# Altium PCB 400236.PcbDoc (part 3 of 4)
Units mil, origin at the board's own origin, x right, y up, seen from the top; angles counter-clockwise.
Board outline 5300 x 2500 mil, 4 copper layers (Top Layer, Mid-Layer 1, Mid-Layer 2, Bottom Layer), stack 59.252 mil thick; 300 components, 217 nets, 1310 pads, 1271 vias.
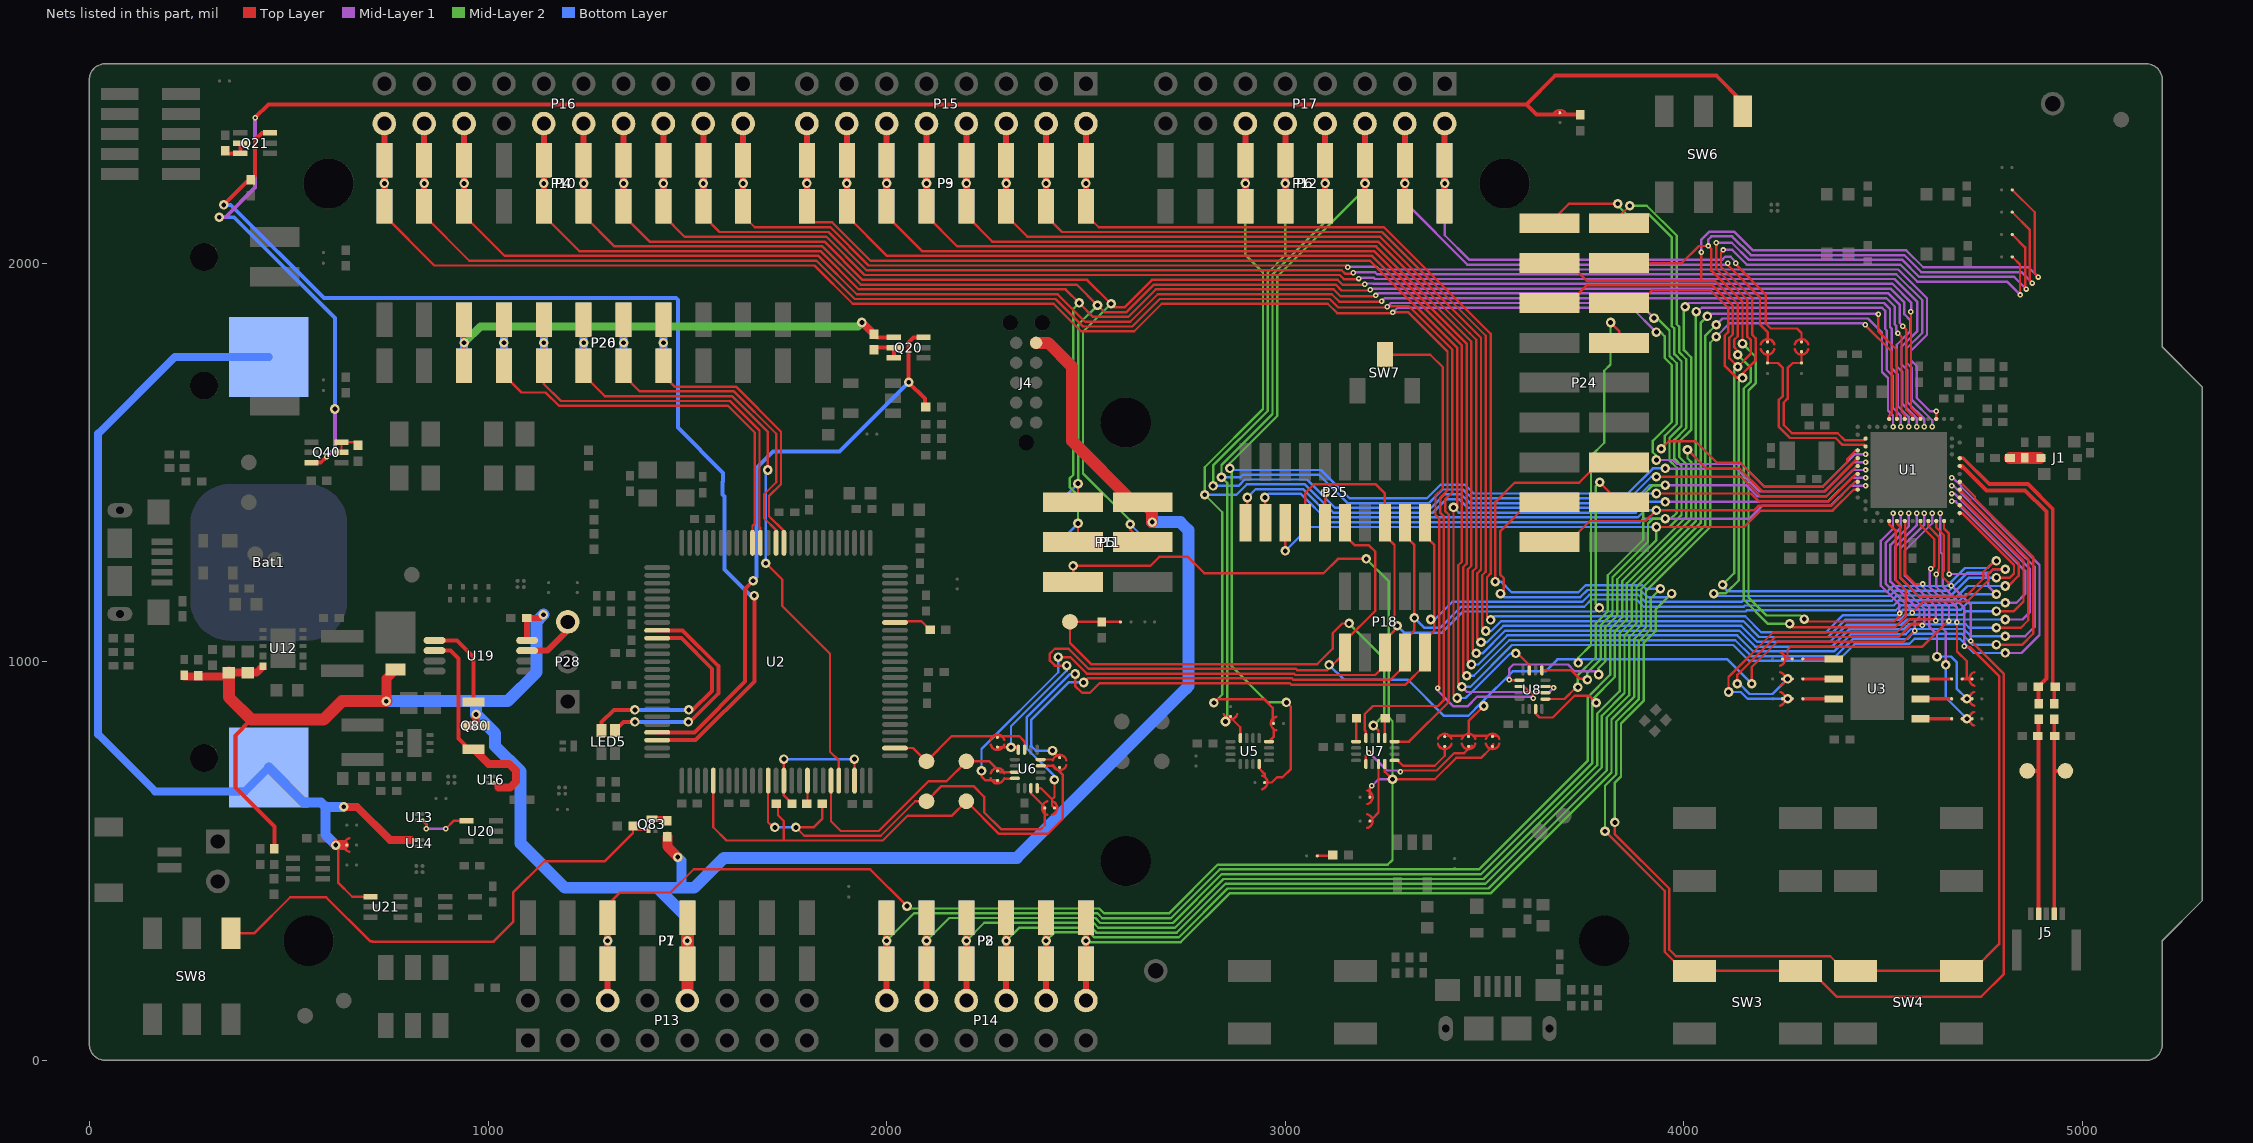
[diagram p5: the nets of this part, all layers, seen from the top]

## Via types
v1: diameter 24, hole 12, Top Layer to Bottom Layer, tented both sides, 1055 vias
v2: diameter 13.78, hole 5.91, Top Layer to Mid-Layer 1, tented both sides, 190 vias
v3: diameter 24, hole 12, Top Layer to Bottom Layer, 26 vias

## Nets (pads, with @x,y where several pads share a name; then routed paths per layer and width w, separated by ;. In a path a pad name is that pad's centre, name@x,y a point inside that pad or via, vN(x,y) a via of type N, cw(c..) or ccw(c..) an arc to the next point about the centre after c; other vN are vias at no path point) (continued)
NetP28_3: P28.3 U19.7 | length 144.1
  Top Layer w15: U19.7@1098.14,1027.8 1148.8,1027.8 1200,1079 P28.3@1200,1100
NetQ20_5: Q20.5 Q20.6 R22.2 | length 77.5
  Top Layer w10: R22.2@1968.33,1782.31 1974.02,1788 Q20.5@2017.93,1788 Q20.6@2017.93,1762.41
NetQ21_5: Q21.5 Q21.6 R24.2 | length 65.6
  Top Layer w10: R24.2@341,2281.31 346.9,2275.41 Q21.6@378.6,2275.41 Q21.5@378.6,2301
NetQ40_5: Q40.5 Q40.6 R41.2 | length 70.5
  Top Layer w6: Q40.5@632.4,1525 Q40.6@632.4,1550.59 666.09,1550.59 R41.2@674,1542.69
NetQ80_1: Q80.1 U19.1 | length 220.3
  Top Layer w10: U19.1@873.86,1053.39 922.61,1053.39 964.13,1011.87 Q80.1@964.13,899.06
NetQ80_3: Q80.3 U16.A1 U19.2 | length 532.2
  Top Layer w9.84: U16.A1@1014.87,696.13 1026.19,684.81
  Top Layer w10: U19.2@873.86,1027.8 906.2,1027.8 925.57,1008.43 925.57,807.43 952.06,780.94 Q80.3@964.13,780.94
  Top Layer w20: Q80.3@964.13,780.94 1001.08,744 1053,744 1070,727 1070,699 1055.81,684.81 1026.19,684.81
NetQ83_1: Q83.1 R94.1 SW8.4 | length 1304.9
  Top Layer w6: SW8.4@355.42,319.27 414.27,319.27 504,409 594,409 704,299 708.7,299 709.7,298 1014,298 1063,347 1063,421 1141,499 1292,499 1363.69,570.68 R94.1@1363.69,588 ; R94.1@1366.69,589 1377.46,578.22 Q83.1@1402.14,578.22
NetQ83_3: Q83.3 R93.2 | length 41.1
  Top Layer w15: Q83.3@1411,605.78 1444.91,605.78 R93.2@1450,600.69
NetR30_2: R30.2 U2.43 | length 98.7
  Top Layer w6: U2.43@2020.83,1098.42 2024.41,1102 2086.92,1102 R30.2@2108.92,1080
NetR49_1: R49.1 SB65.2 | length 39.8
  Top Layer w6: SB65.2@3080.3,513 3117.32,513 R49.1@3119.32,515
NetR52_2: R52.2 U7.9 | length 49.8
  Top Layer w6: U7.9@3249.62,808.48 3249.62,857.31 R52.2@3250.31,858
NetR53_2: R53.2 U7.13 | length 58.8
  Top Layer w6: U7.13@3177.77,799.62 3177.77,857.09 R53.2@3178.69,858
NetSB42_1: SB42.1 U7.1 | length 336.7
  Top Layer w6: U7.1@3202.38,743.52 3202.38,764.38 v2(3210,772) ; v2(3289,724) 3292,727 3379.97,727 3423.82,770.85 3449.15,770.85 3468,789.7
  Mid-Layer 1 w6: v2(3210,772) 3255,727 3286,727 v2(3289,724)
NetSB45_1: SB45.1 U7.5 | length 165.4
  Top Layer w6: U7.5@3274.23,752.38 3281.92,752.38 3295.3,739 3375,739 3400,764 3400,780.83 SB45.1@3400,787.7
NetSB46_1: SB46.1 U7.3 | length 152.5
  Top Layer w6: SB46.1@3212.3,600 3218.16,605.86 3233.87,621.57 U7.3@3233.87,743.52
NetU13_B2: U13.B2 U20.4 | length 134
  Top Layer w6: U13.B2@835.87,602.13 846,592 v2@846,581 ; v2(894,581) 913.59,600.59 U20.4@945.6,600.59
  Mid-Layer 1 w6: v2(845,581) v2(894,581)
NFC1: C46.1 J5.2 R44.1 TP15.1 | length 506.1
  Top Layer w9.84: TP15.1@4861.37,726 4889.68,726 ; J5.2@4889.68,367.25 4889.68,726 ; R44.1@4889.68,845 4889.68,726
NFC2: C47.2 J5.4 R46.1 TP16.1 | length 505.7
  Top Layer w9.84: J5.4@4929.05,367.25 4929.05,726 ; R46.1@4929.05,845 4929.05,726 ; TP16.1@4957.05,726 4929.05,726
OB_LED1: LED5.4 U2.84 | length 556.7
  Top Layer w10: LED5.4@1318.34,827.54 1339.79,849 v1(1368.61,849) ; U2.84@1424.38,1078.74 1487.87,1078.74 1577.61,989 1577.61,920.47 1506.13,849 v1(1502.61,849)
  Bottom Layer w10: v1(1368.61,849) v1(1502.61,849)
OB_LED2: LED5.3 U2.85 | length 554.4
  Top Layer w10: LED5.3@1284.87,827.54 1284.87,848.27 1315.61,879 v1(1368.61,879) ; U2.85@1424.38,1059.05 1484.92,1059.05 1561.61,982.37 1561.61,927.1 1513.51,879 v1(1503.61,879)
  Bottom Layer w10: v1(1368.61,879) v1(1503.61,879)
OB_RESET: SB56.2 TP7.1 U2.27 U6.7 | length 391.3
  Top Layer w6: U2.27@2020.83,783.46 2066.54,783.46 TP7.1@2100,750 2163,813 2333,813 2346.13,799.87 U6.7@2346.13,779.23
OB_SWDCLK: R28.2 SB55.2 TP6.1 U2.5 U6.3 | length 1373.7
  Top Layer w6: U2.5@1565.13,701.77 1565.13,584.87 1598.6,551.4 1742.35,551.4 ; R28.2@1723.31,644 1727.35,639.97 1727.35,615 1742.35,600 1742.35,551.4 ; U6.3@2386.48,738.87 2419.13,738.87 2442,716 2442,606 2404,568 2282,568 TP6.1@2200,650 2164,614 2052.94,614 1990.34,551.4 1742.35,551.4
OB_SWDIO: R29.2 SB54.2 TP5.1 U2.12 U6.15 | length 1156.4
  Top Layer w6: U2.12@1702.92,701.77 1702.5,701.35 1702.5,597.5 1715.6,584.4 v1(1719.6,584.4) ; R29.2@1838.69,644 1838.69,606.69 1816.4,584.4 v1(1772.35,584.4) 1793.35,563.4 1985.37,563.4 2071.97,650 TP5.1@2100,650 2138,688 2218,688 2245,661 2245,621.97 2286.97,580 2387,580 2396.7,589.7 2396.7,619.1 SB54.2@2396.7,633 2396.7,635.3 2391.51,640.49 2361.87,670.13 U6.15@2361.87,682.77
  Bottom Layer w6: v1(1719.6,584.4) v1(1772.35,584.4)
OB_SWO: SB57.2 TP8.1 U2.20 U6.11 | length 656.5
  Top Layer w6: U2.20@1860.4,701.77 1860.4,600.01 1885.02,575.4 1980.4,575.4 2105,700 2150,700 TP8.1@2200,750 2258,750 2284.87,723.13 U6.11@2321.52,723.13
P0.00: P6.1 P12.1 P17.2 SB4.2 | length 1526
  Top Layer w6: v2@4128,1999 4205.49,1921.51 4205.49,1848.49 4217.97,1836 4284,1836 4295,1825 4295,1809.17 SB4.2@4295,1802.3
  Top Layer w15: P6.1@3400,2142.32 v1(3400,2200) P6.1@3400,2257.68 P17.2@3400,2350
  Mid-Layer 1 w6: v1(3400,2200) 3400,2069.97 3461.97,2008 4095.53,2008 4103.42,2015.89 4117.23,2015.89 4130,2003.12 v2(4130,2000) ; v2@4128,1999 v2@4128,2000
  Bottom Layer w15: P12.1@3400,2142.32 v1(3400,2200) P12.1@3400,2257.68
P0.00/XL1: SB2.2 SB4.1 U1.D2 | length 437.2
  Top Layer w5.71: 4404,1555.61 4451.6,1555.61 U1.D2@4455.73,1559.74
  Top Layer w6: SB4.1@4295,1777.7 4295,1770.83 SB2.2@4295,1749.3 4273.11,1749.3 4260.29,1736.49 4260.29,1660 4250.29,1650 4250.29,1593.68 4270.81,1573.16 4385.99,1573.16 4403.11,1556.04
P0.01: P6.2 P12.2 P17.4 SB3.2 | length 1484.4
  Top Layer w6: v2@4110,1999 4110,1995 4191,1914 4191,1846 4210,1827 4210,1809.17 SB3.2@4210,1802.3
  Top Layer w15: P6.2@3300,2142.32 v1(3300,2200) P6.2@3300,2257.68 P17.4@3300,2350
  Mid-Layer 1 w6: v1(3300,2200) 3300,2153 3457,1996 4107,1996 v2@4110,1999
  Bottom Layer w15: P12.2@3300,2142.32 v1(3300,2200) P12.2@3300,2257.68
  other v2: 4110,2000
P0.01/XL2: SB1.2 SB3.1 U1.F2 | length 462.4
  Top Layer w5.71: 4397,1544.19 4451.6,1544.19 U1.F2@4455.73,1540.05
  Top Layer w6: SB3.1@4210,1777.7 4210,1770.83 SB1.2@4210,1749.3 4235.99,1749.3 4248.29,1737 4248.29,1667 4238.29,1657 4238.29,1588.71 4265.83,1561.16 4381.01,1561.16 4397,1545.18 4397,1544.19
P0.02/AIN0: P4.8 P10.8 P16.16 U1.A12 | length 4408.8
  Top Layer w6: P4.8@940,2142.32 940,2120 1042,2018 1828.94,2018 1924.94,1922 2428.91,1922 2497.91,1853 2611.26,1853 2680.26,1922 3116.68,1922 3135.85,1902.83 3239.73,1902.83 v2(3241.45,1904.55) ; v2(4537,1824) 4545.82,1815.18 4545.82,1627.18 4554.16,1618.84 U1.A12@4554.16,1608.95
  Top Layer w15: P4.8@940,2142.32 v1(940,2200) P4.8@940,2257.68 P16.16@940,2350
  Mid-Layer 1 w6: v2(3241.45,1904.55) 3248.9,1912 4508,1912 4529,1891 4529,1845.89 4533,1841.89 4533,1828 v2(4537,1824)
  Bottom Layer w15: P10.8@940,2120 v1(940,2200) P10.8@940,2257.68
P0.03/AIN1: P2.1 P8.1 P14.2 U1.B13 | length 4411.4
  Top Layer w15: P14.2@2000,150 P2.1@2000,242.32 v1(2000,300) P2.1@2000,357.68
  Mid-Layer 1 w6: v1(4003,1890.3) 4012.61,1899.91 4502.14,1899.91 4517,1885.05 4517,1839.53 4521,1835.53 4521,1736.97 4536.13,1721.84 4536.13,1641.96 4564,1614.09 v2(4564,1589.27)
  Mid-Layer 2 w6: v1(2000,300) 2069,369 2528.58,369 2540.99,356.59 2713.05,356.59 2835.46,479 3486,479 3758.33,751.33 3758.33,910.63 3815,967.3 3815,1081.39 3845,1111.39 3845,1202.03 4006,1363.03 4006,1496.36 3988,1514.36 3988,1551.64 4018,1581.64 4018,1763.75 4000,1781.75 4000,1887.3 v1(4003,1890.3)
  Bottom Layer w15: P8.1@2000,242.32 v1(2000,300) P8.1@2000,381
P0.04/AIN2: P2.2 P8.2 P14.4 U1.J1 U8.15 | length 3784.7
  Top Layer w5.91: U1.J1@4433.92,1508.62 U1.J1@4435.83,1510.53
  Top Layer w6: U8.15@3627.87,881.77 3627.87,870.13 3638.02,859.98 3670.98,859.98 3726,915 3762,915 v1(3780,897) ; v1(4009,1532) 4057,1484 4140.03,1484 4197.03,1427 4352.85,1427 4359.87,1434.03 4359.87,1434.1 4421.63,1495.85 4421.63,1496.81 4430.08,1505.26 4431.03,1505.26 4433.92,1508.15 U1.J1@4433.92,1508.62 ; U1.J1@4435.83,1510.53 U1.J1@4436.05,1510.53
  Top Layer w15: P14.4@2100,150 P2.2@2100,242.32 v1(2100,300) P2.2@2100,357.68
  Mid-Layer 2 w6: v1(2100,300) 2157,357 2523.61,357 2536.02,344.59 2718.03,344.59 2840.43,467 2887,467 3491,467 3770.33,746.33 3770.33,905.66 3827,962.33 3827,1076.42 3857,1106.42 3857,1197.06 4018,1358.06 4018,1501.33 4009,1510.33 v1(4009,1532)
  Bottom Layer w15: P8.2@2100,242.32 v1(2100,300) P8.2@2100,357.68
P0.05/AIN3: P6.3 P12.3 P17.6 SB51.1 U1.K2 U5.4 | length 3860
  Top Layer w6: U5.4@2934.35,743.39 2934.35,732.65 2948.3,718.7 2948.3,710.9 ; SB51.1@2948.3,697 2955.17,697 2966.2,697 2979.2,710 2993,710 3014.08,731.08 3014.08,886.92 v1(3003,898)
  Top Layer w15: P6.3@3200,2152 v1(3200,2200) P6.3@3200,2257.68 P17.6@3200,2350
  Mid-Layer 1 w6: v1@3954,1484 4131.97,1484 4188.97,1427 4352.85,1427 4426.53,1500.68 v2(4455.73,1500.68)
  Mid-Layer 2 w6: v1(3003,898) 2956,898 2866,988 2866,1480 v1(2861,1485) 2861,1497.73 2980,1616.73 2980,1966 3200,2186 v1(3200,2200)
  Bottom Layer w6: v1(2861,1485) 2865,1481 3090,1481 3161,1410 3355.39,1410 3389.39,1444 3451,1444 3473,1422 3859.3,1422 3922.3,1485 v1(3953,1485)
  Bottom Layer w15: P12.3@3200,2142.32 v1(3200,2200) P12.3@3200,2257.68
P0.06: P6.4 P12.4 P17.8 SB53.1 U1.L1 U5.12 | length 3593.8
  Top Layer w5.91: 4353,1415 4357.75,1415 4371.83,1429.08 4371.83,1429.15 4433.52,1490.84 U1.L1@4436.05,1490.84
  Top Layer w6: v1(2850,850) 2856.92,856.92 2863,863 2863,863.7 2858.7,863.7 ; 2865.67,857.03 2887.1,835.6 U5.12@2887.1,808.35 ; v1(3931,1464) 4143.06,1464 4192.06,1415 4353,1415
  Top Layer w15: P6.4@3100,2142.32 v1(3100,2200) P6.4@3100,2257.68 P17.8@3100,2350
  Mid-Layer 2 w6: v1@2849,851 2854,856 2854,1449 v1(2840,1463) 2840,1493.7 2968,1621.7 2968,1970.97 3100,2102.97 v1(3100,2200)
  Bottom Layer w6: v1(2840,1463) 2887.36,1463 2893.36,1469 3084.7,1469 3155.7,1398 3360.36,1398 3394.36,1432 3446.03,1432 3468.03,1410 3864.27,1410 3918.27,1464 v1(3931,1464)
  Bottom Layer w15: P12.4@3100,2142.32 v1(3100,2200) P12.4@3100,2257.68
P0.07: P6.5 P12.5 P17.10 P25.12 U1.M2 U8.1 | length 3688.1
  Top Layer w6: P25.12@3100,1348.23 v1(3100,1424) ; U8.1@3652.48,906.38 3700.41,906.38 3730.03,936 v1(3734,936)
  Top Layer w15: P6.5@3000,2150 v1(3000,2200) P6.5@3000,2257.68 P17.10@3000,2350
  Mid-Layer 1 w6: v1(3953,1443) 4156,1443 4184,1415 4357.82,1415 4423.82,1481 v2(4455.73,1481)
  Mid-Layer 2 w6: v1(2819,1441) 2819,1492 2956,1629 2956,1975.94 3000,2019.94 v1(3000,2200) ; v1(3734,936) 3734,966.3 3779,1011.3 3779,1096.3 3809,1126.3 3809,1216.94 3898,1305.94 3898,1418.7 3922.3,1443 v1(3953,1443)
  Bottom Layer w6: v1(2819,1441) 2882.33,1441 2898.33,1457 3054.27,1457 3125.27,1386 3365.33,1386 3399.33,1420 3441.06,1420 3463.06,1398 3869.24,1398 3914.24,1443 v1(3953,1443)
  Bottom Layer w15: P12.5@3000,2142.32 v1(3000,2200) P12.5@3000,2257.68
P0.08: P6.6 P12.6 P17.12 SB52.1 U1.N1 U5.8 | length 3705.2
  Top Layer w5.91: 4363.95,1403 4432.11,1471.16 U1.N1@4436.05,1471.16
  Top Layer w6: v1(2821,897) 2830.08,906.08 2946.95,906.08 2968.31,884.72 2968.31,856.69 2970,855 2970,849 ; U5.8@2958.95,799.5 2970.7,811.24 2970.7,831.1 ; v1(3931,1422) 4168.09,1422 4187.09,1403 4363.95,1403
  Top Layer w15: P6.6@2900,2154 v1(2900,2200) P6.6@2900,2257.68 P17.12@2900,2350
  Mid-Layer 2 w6: v1(2821,897) 2842,918 2842,1375 v1(2798,1419) 2798,1487.97 2944,1633.97 2944,1976 2900,2020 v1(2900,2200)
  Bottom Layer w6: v1(2798,1419) 2877.3,1419 2903.3,1445 3049.3,1445 3120.3,1374 3370.3,1374 3404.3,1408 3436.09,1408 3458.09,1386 3874.21,1386 3910.21,1422 v1(3931,1422)
  Bottom Layer w15: P12.6@2900,2142.32 v1(2900,2200) P12.6@2900,2257.68
P0.09/NFC1: R43.2 R44.2 U1.L24 | length 757.8
  Top Layer w9.84: U1.L24@4691.95,1490.84 4698.09,1490.84 4698.09,1487.49 4701.44,1487.49 4759.35,1429.58 4856.17,1429.58 4909.4,1376.35 4909.4,957.87 R43.2@4888.53,937 4890,935.53 R44.2@4890,894.68
P0.10/NFC2: R45.2 R46.2 U1.J24 | length 774.7
  Top Layer w9.84: U1.J24@4691.95,1510.53 4700.81,1510.53 4765.91,1445.42 4862.73,1445.42 4925.24,1382.91 4925.24,942.91 R45.2@4931.16,937 ; R46.2@4929,894.68 R45.2@4929,934.84
P0.11: P24.1 P25.18 U1.T2 U8.5 | length 3390.2
  Top Layer w6: v1(2949,1412) 2950,1411 P25.18@2950,1348.23 ; U8.5@3643.62,978.23 3718,978.23 3739.23,957 3756,957 v1(3758,955) ; P24.1@3662.5,2100 3711.5,2149 v1(3834,2149)
  Mid-Layer 1 w6: v1(3953,1359) 4164,1359 4196,1391 4367.76,1391 4418.39,1441.63 v2(4455.73,1441.63)
  Mid-Layer 2 w6: v1(3758,955) 3758,973 3791,1006 3791,1091.33 3821,1121.33 3821,1211.97 3910,1300.97 3910,1346.7 3922.3,1359 v1(3953,1359) 3968.03,1359 3982,1372.97 3982,1486.42 3964,1504.42 3964,1561.58 3994,1591.58 3994,1753.81 3976,1771.81 3976,1835.72 3970,1841.72 3970,2064.03 3911.03,2123 3855.3,2123 3834,2144.3 v1(3834,2149)
  Bottom Layer w6: v1(2949,1412) 2958,1421 3039.36,1421 3110.36,1350 3889.12,1350 3898.12,1359 v1(3953,1359)
P0.12: P24.2 P25.16 U1.U1 U8.9 | length 3303.5
  Top Layer w5.91: 4367,1379 4373.11,1379 4425.9,1431.79 U1.U1@4436.05,1431.79
  Top Layer w6: v1(3000,1278) P25.16@3000,1348.23 ; v2(3562,955) 3563.38,953.62 U8.9@3587.52,953.62 ; P24.2@3837.5,2100 3837.5,2117.5 v1(3864,2144) ; v1(3931,1338) 4150.97,1338 4191.97,1379 4367,1379
  Mid-Layer 1 w6: v2(3562,955) 3562,983.08 3572.05,993.13 3709.17,993.13 3726.3,976 3778,976 v1(3786,968)
  Mid-Layer 2 w6: v1@3785,968 3785,983.03 3803,1001.03 3803,1086.36 3833,1116.36 3833,1207 3931,1305 v1(3931,1338) 3964,1338 3994,1368 3994,1491.39 3976,1509.39 3976,1556.61 4006,1586.61 4006,1758.78 3988,1776.78 3988,1840.69 3982,1846.69 3982,2069 3907,2144 v1(3864,2144)
  Bottom Layer w6: v1(3000,1278) 3060,1338 v1(3931,1338)
P0.13: P24.3 SB5.1 U1.AD8 | length 3220.2
  Top Layer w6: P24.3@3681,2000 3712,2000 3756,1956 4044,1956 ; v2(4044,2027) 4044,1956 ; v1(4135,1770) 4135,1780.3 4126,1789.3 4126,1807.67 4135,1816.67 4135,1898.06 4077.06,1956 4044,1956 ; v1(4265,1095) 4274,1086 4528.95,1086 4556.89,1113.94 4556.89,1179.11 4531,1205 4531,1329.36 4514.79,1345.57 U1.AD8@4514.79,1353.05 ; SB5.1@4823.63,2183.73 4880,2127.37 4880,1974 v2(4889,1965)
  Mid-Layer 1 w6: v2(4044,2027) 4044,2059 4064,2079 4126,2079 4173,2032 4557.91,2032 4600.46,1989.46 4864.54,1989.46 v2(4889,1965)
  Mid-Layer 2 w6: v1(4135,1770) 4135,1769.7 4168,1736.7 4168,1703.3 4150,1685.3 4150,1156 4211,1095 v1(4265,1095)
P0.14: P24.4 SB6.1 U1.AC9 | length 2957.2
  Top Layer w6: P24.4@3837.5,2000 3994.53,2000 4037.53,2043 v2(4061,2043) 4069,2035 4069,1981.03 4147,1903.03 v1(4147,1798) ; v1@4301.09,1100.91 4526.88,1100.91 4541,1115.02 v2(4541,1121) ; SB6.1@4823.63,2127.73 4868,2083.37 4868,1956 v2(4874,1950)
  Mid-Layer 1 w6: v2(4061,2043) 4061,2059.03 4068.97,2067 4121.03,2067 4168.03,2020 4552.94,2020 4595.49,1977.46 4846.54,1977.46 v2(4874,1950) ; v2(4524.63,1372.73) 4524.63,1333.74 4493.99,1303.1 4493.99,1191.01 4540.09,1144.91 4540.09,1121.91 v2(4541,1121)
  Mid-Layer 2 w6: v1(4147,1798) 4180,1765 4180,1698.33 4162,1680.33 4162,1161.39 4207.39,1116 4293,1116 v1(4302,1107)
P0.15: P24.5 SB7.1 U1.AD10 | length 3749.5
  Top Layer w6: P24.5@3662.5,1900 3712,1900 3756,1944 4072.09,1944 4123,1893.09 4123,1821.64 4114,1812.64 4114,1761.3 4135,1740.3 v1(4135,1740) 4168,1773 4168,1806.7 4159,1815.7 4159,1908 4081,1986 v2(4081,2051) ; U1.AD10@4534.47,1353.05 4534.47,1346.53 4543,1338 4543,1209.97 4589.97,1163 4706.03,1163 4751,1207.97 4751,1224.67 4779.33,1253 v1(4784,1253) ; SB7.1@4823.63,2071.73 4856,2039.37 4856,1938 v2(4859,1935)
  Mid-Layer 1 w6: v2(4081,2051) 4120.06,2051 4163.06,2008 4547.97,2008 4590.51,1965.46 4828.54,1965.46 v2(4859,1935)
  Mid-Layer 2 w6: v1@4095,1191 v1(4097,1193) 4126,1222 4126,1731 v1(4135,1740)
  Bottom Layer w6: v1@4094,1192 4109,1177 4511.38,1177 4524.38,1190 4660.12,1190 4705.12,1235 4761.33,1235 v1@4781.67,1255.33
P0.16: P24.6 SB8.1 U1.AC11 | length 3711.2
  Top Layer w6: P24.6@3837.5,1900 3888,1900 3920,1932 4067.12,1932 4111,1888.12 4111,1826.61 4102,1817.61 4102,1743.3 4133.3,1712 v1(4147,1712) 4147,1722.3 4180,1755.3 4180,1811.67 4171,1820.67 4171,1912.97 4093,1990.97 4093,2027 v2(4099,2033) ; v2(4573,1123) 4601,1151 4711,1151 4763,1203 4763,1219.7 4775.3,1232 v1(4806,1232) ; SB8.1@4823.63,2015.73 4843.11,1996.26 4843.11,1920.89 v2(4844,1920)
  Mid-Layer 1 w6: v2(4099,2033) 4121.09,2033 4158.09,1996 4543,1996 4585.54,1953.46 4810.54,1953.46 v2(4844,1920) ; v2(4544.31,1372.73) 4544.31,1336.45 4505.99,1298.13 4505.99,1196.13 4575,1127.12 v2@4575,1124
  Mid-Layer 2 w6: v1(4075,1171) 4076,1172 4105.7,1172 4138,1204.3 4138,1703 v1(4147,1712)
  Bottom Layer w6: v1(4075,1171) 4081,1165 4516.35,1165 4529.35,1178 4665.09,1178 4710.09,1223 4766.3,1223 4775.3,1232 v1(4806,1232)
P0.17: SB15.1 SB25.1 U1.AD12 | length 596
  Top Layer w6: U1.AD12@4554.16,1353.05 4555,1352.2 4555,1220.3 4580.3,1195 v2(4599,1195)
  Top Layer w8: SB15.1@4698.3,857 v1(4710,857) 4715.83,857 SB25.1@4722.7,857
  Mid-Layer 1 w6: v2(4599,1195) 4599,1187.97 4647.89,1139.08 4647.89,1084.11 4656.91,1075.09 v1(4656.91,992.09)
  Bottom Layer w6: v1(4656.91,992.09) 4656.91,910.09 v1(4710,857)
P0.18/RESET: P18.10 P24.8 P25.10 SB42.2 SB44.2 SB45.2 SB56.1 U1.AC13 U6.8 | length 4746.9
  Top Layer w6: SB56.1@2278,785.7 2291.9,785.7 v1(2312,785.7) 2323.91,785.7 U6.8@2330.38,779.23 ; v1(2451.64,990.36) 2421.94,990.36 2409.42,1002.88 2409.42,1020.28 2421.72,1032.58 2456.5,1032.58 2507,982.08 3026.63,982.08 3030.03,978.68 3105.45,978.68 P18.10@3150,1023.23 3150,1051.84 3226,1127.84 3226,1276 3210.02,1291.98 3175.02,1291.98 3150,1317 P25.10@3150,1348.23 ; 3409,814.3 3412.11,814.3 3447.89,814.3 ; SB42.2@3460,814.3 3460,819.17 3460,851 v1(3498,889) ; 3472.11,814.3 3507.89,814.3 ; SB44.2@3520,814.3 3532.11,814.3 ; v1(3816,1851) 3837.5,1829.5 P24.8@3837.5,1800 ; v1(4170,945) 4170,986 4234,1050 4551,1050 v2(4579,1078)
  Mid-Layer 1 w6: v2(4564,1372.73) 4564,1339.17 4517.99,1293.16 4517.99,1201.1 4591,1128.09 4591,1112.34 4579,1100.34 v2@4579,1081
  Mid-Layer 2 w6: v1(3735,997) 3735,1010.15 3767,1042.15 3767,1516.36 3800,1549.36 3800,1730 3816,1746 v1(3816,1851)
  Bottom Layer w6: v1(2312,785.7) 2312,838 2451.64,977.64 v1(2451.64,990.36) ; v1(3110,992) 3147,955 3307.36,955 3398.36,864 3458.88,864 v1@3490.94,896.06 ; v1(3498,889) v1@3490.94,896.06 ; v1(3735,997) 3726,1006 3682.64,1006 3652.51,975.87 3570.76,975.87 v1@3490.94,896.06 ; v1@3735,1006 4109,1006 v1(4170,945)
P0.19: SB11.1 SB21.1 U1.AC15 | length 1053.8
  Top Layer w6: v1(4134,945) 4134,967 4229,1062 4538.89,1062 4571.78,1094.89 4594.11,1094.89 v2(4598,1091)
  Top Layer w8: SB21.1@4247.3,957 4254.17,957 v1(4260,957) SB11.1@4271.7,957
  Mid-Layer 1 w6: v2(4583.68,1372.73) 4583.68,1341.88 4529.99,1288.19 4529.99,1206.07 4603,1133.06 4603,1096 v2(4598,1091)
  Bottom Layer w6: v1(4134,945) 4138.67,945 4164.67,919 4222,919 v1(4260,957)
P0.20: SB12.1 SB22.1 U1.AD16 | length 772.4
  Top Layer w6: SB22.1@4247.3,1007 4254.17,1007 4260,1007 ; SB12.1@4271.7,1007 4260,1007 ; U1.AD16@4593.53,1353.05 4593.53,1342.47 4628,1308 4628,1240 v2@4620,1232 ; v2(4665,1102) 4662.53,1102 4598.53,1038 4268.09,1038 4260,1029.9 4260,1007
  Mid-Layer 1 w6: v2(4619,1233) 4617.11,1231.11 4617.11,1186.83 4665,1138.94 v2(4665,1102)
P0.21: SB13.1 SB23.1 U1.AC17 | length 605.7
  Top Layer w8: SB13.1@4698.3,907 v1(4710,907) 4715.83,907 SB23.1@4722.7,907
  Mid-Layer 1 w6: v2(4603.37,1372.73) 4603.37,1344.6 4541.99,1283.22 4541.99,1211.04 4615,1138.03 4615,1088 4635,1068 v1(4635,1013)
  Bottom Layer w6: v1(4635,1013) 4635.09,1013.09 4669.91,1013.09 4684,999 4684,933 v1(4710,907)
P0.22: SB14.1 SB24.1 U1.AD18 | length 466.3
  Top Layer w6: U1.AD18@4613.21,1353.05 4613.21,1339.76 4640,1312.97 4640,1233.05 4638.09,1231.14 4638.09,1224.09 v2(4633,1219) ; v2(4685,1099) 4685,1026 4710,1001 4710,957
  Top Layer w8: SB14.1@4698.3,957 4710,957 4715.83,957 SB24.1@4722.7,957
  Mid-Layer 1 w6: v2(4633,1219) 4633,1187.91 4685,1135.91 v2(4685,1099)
P0.23: SB10.1 SB20.1 U1.AC19 | length 1129.7
  Top Layer w6: v1(4112,924) 4112,961.97 4224.03,1074 4533.92,1074 4566.81,1106.89 4628.11,1106.89 v2(4632,1103)
  Top Layer w8: SB20.1@4247.3,907 4254.17,907 v1(4260,907) SB10.1@4271.7,907
  Mid-Layer 1 w6: v2(4623.05,1372.73) 4623.05,1347.31 4553.99,1278.25 4553.99,1216.01 4632,1138 v2(4632,1103)
  Bottom Layer w6: v1(4112,924) 4142.7,924 4159.7,907 v1(4260,907)
P0.24: P24.14 SW3.2 U1.AD20 | length 4147.5
  Top Layer w6: v1(3527,1201) 3527,1401 3575,1449 3737,1449 3788,1500 P24.14@3837.5,1500 ; v1(3802,575) 3951.57,425.43 3951.57,272.43 3999.53,224.47 SW3.2@4026.7,224.47 SW3.2@4292.45,224.47 4318.53,224.47 4383,160 4746,160 4802.75,216.75 4802.75,969.25 v2(4720,1052) ; U1.AD20@4632.9,1353.05 4632.9,1337.04 4652,1317.94 4652,1228.08 4650.09,1226.17 4650.09,1211.91 v2(4671,1191)